# Allegro board 6089-119-RevA_41.brd (continued)
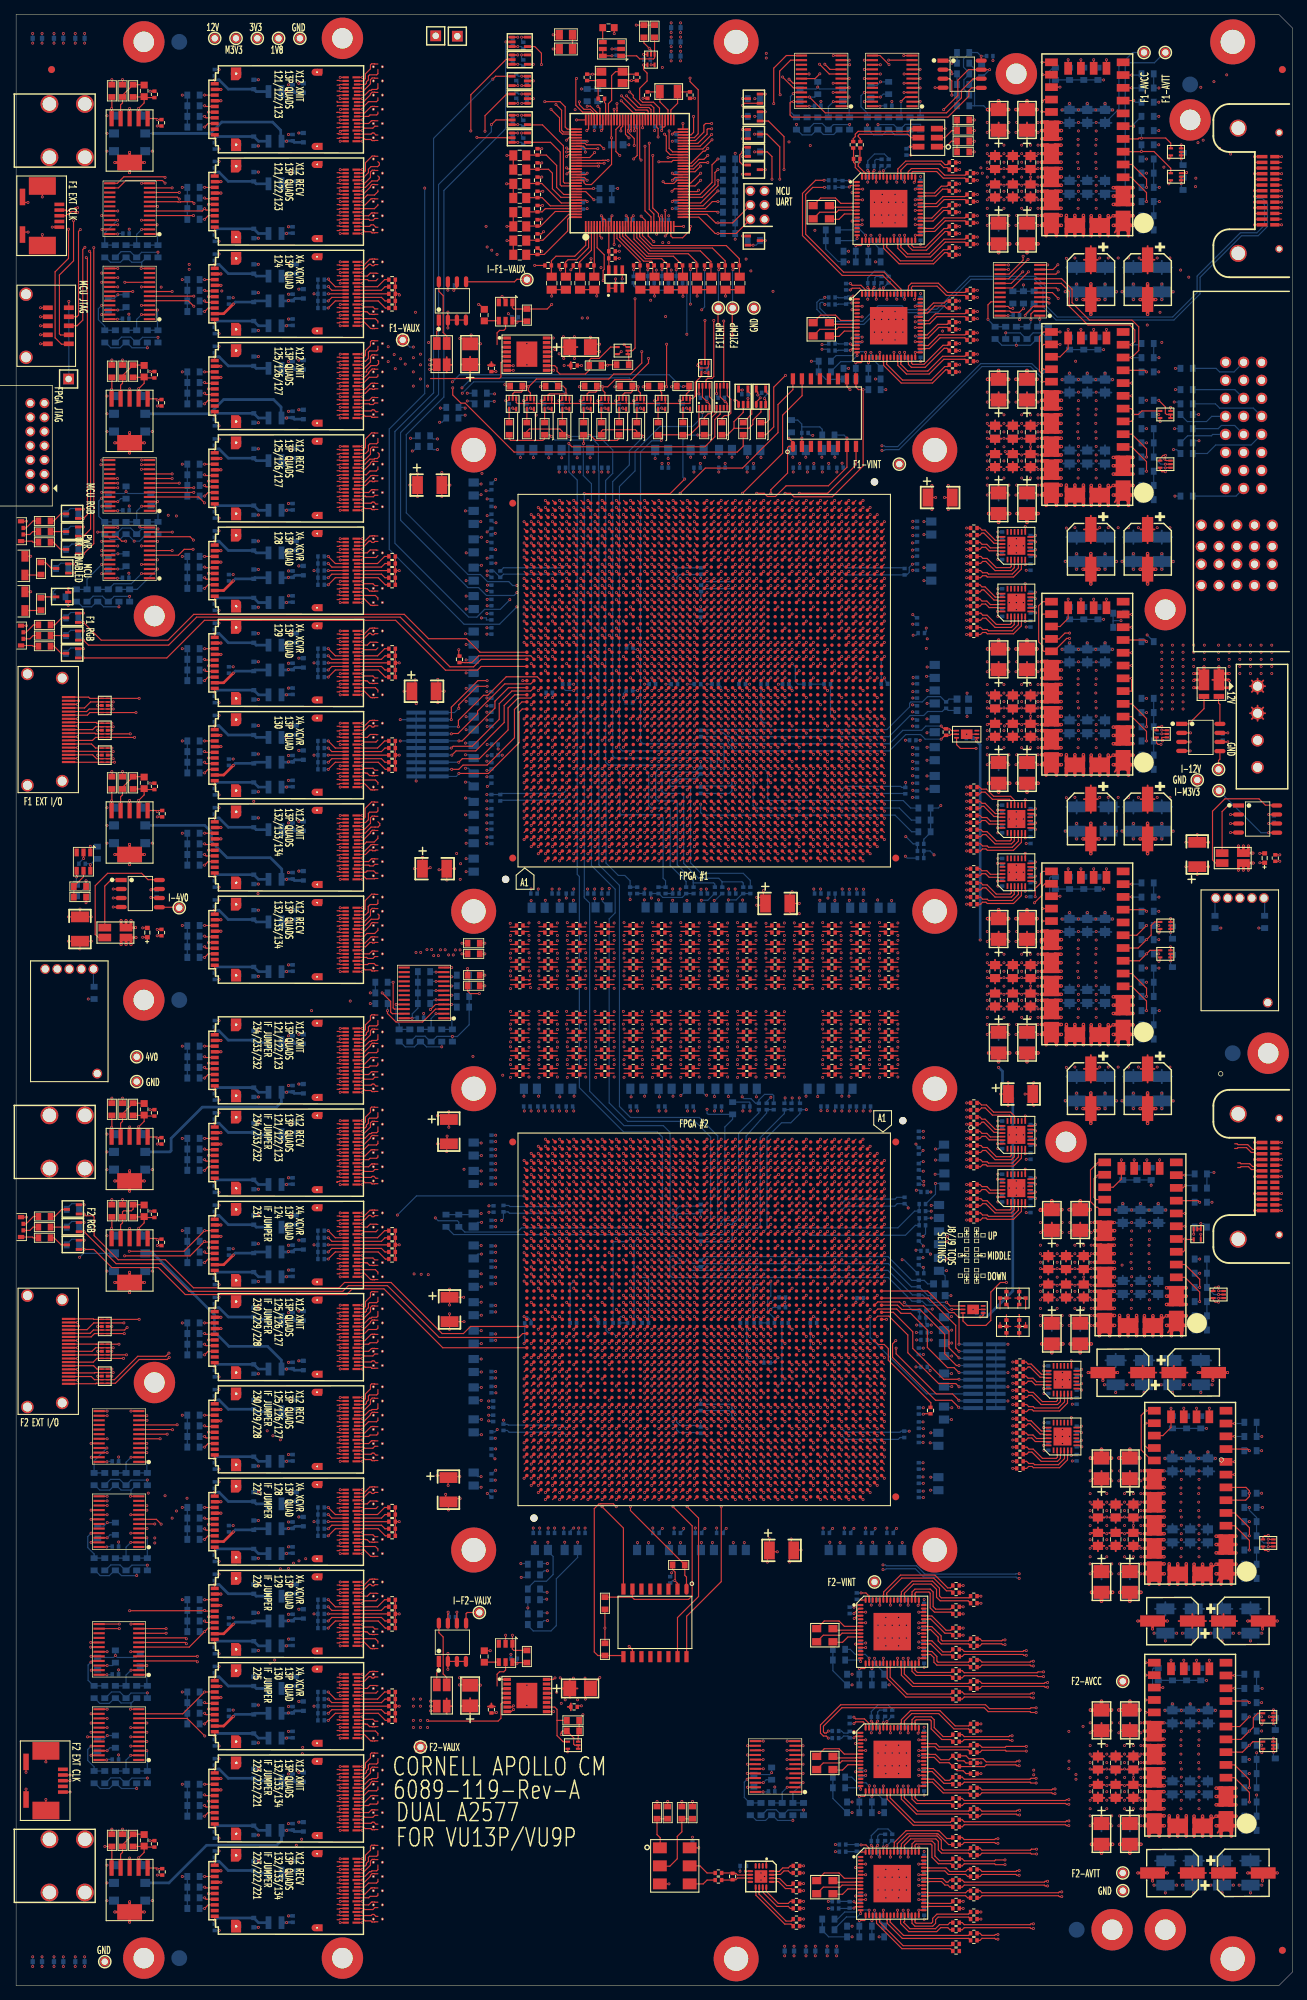
[diagram p0: board, top side]
## Routing (per net, layer and track width the routed paths; a pad name or vN(x,y) marks a point on that pad's centre or on a via; arc(x,y) is an arc through that point) (continued)
NF2_F_RECV2: length 21.1
  TOP w0.165: 108.3,134.25 107.6,134.25 C221.1 ; U77.T3 107.39,117.29
  SIG2 w0.083: 108.3,134.25 108.1,134.05 arc(108.07,134.03) 108.04,134.02 107.25,134.02 arc(106.82,133.85) 106.64,133.42 106.64,127.51 arc(106.78,126.82) 107.17,126.23 107.44,125.96 arc(107.7,125.57) 107.79,125.11 107.79,117.13 arc(107.72,116.96) 107.56,116.9 107.47,116.9 arc(107.42,116.92) 107.39,116.98 107.39,117.29
NF2_F_RECV3: length 21.8
  TOP w0.165: U77.U1 106.39,119.29 ; C219.1 107.65,136.7 108.3,136.7
  SIG2 w0.083: 106.39,119.29 106.39,118.98 arc(106.42,118.92) 106.47,118.9 106.56,118.9 arc(106.72,118.96) 106.79,119.13 106.79,125.35 arc(106.76,125.5) 106.68,125.62 arc(106.25,126.26) 106.1,127.02 106.1,135.57 arc(106.36,136.21) 107,136.47 108.04,136.47 arc(108.07,136.48) 108.1,136.5 108.3,136.7
NF2_F_XMIT0: length 33.1
  TOP w0.165: C217.2 107.6,141.75 108.3,141.75 ; U77.P8 109.39,112.29
  SIG1 w0.083: 108.3,141.75 108.1,141.55 arc(108.07,141.53) 108.04,141.52 107.96,141.52 arc(107.75,141.44) 107.67,141.23 107.67,140.5 arc(107.71,140.3) 107.82,140.13 108.72,139.23 arc(108.93,138.92) 109,138.55 109,128.4 arc(109.07,128.03) 109.28,127.72 109.35,127.65 arc(109.68,127.17) 109.79,126.59 109.79,112.13 arc(109.72,111.96) 109.56,111.9 109.47,111.9 arc(109.42,111.92) 109.39,111.98 109.39,112.29
NF2_F_XMIT1: length 33.8
  TOP w0.165: 108.3,144.21 107.64,144.21 C215.2 ; U77.R6 108.39,114.29
  SIG1 w0.083: 108.3,144.21 108.1,144.01 arc(108.07,143.99) 108.04,143.98 107.96,143.98 arc(107.39,143.75) 107.15,143.18 107.15,140.45 arc(107.21,140.17) 107.36,139.94 arc(107.64,139.51) 107.74,139.01 107.74,127.51 arc(107.84,127.04) 108.1,126.65 108.62,126.13 arc(108.75,125.93) 108.8,125.7 108.8,114 arc(108.74,113.86) 108.6,113.8 arc(108.45,113.86) 108.39,114.01 108.39,114.29
NF2_F_XMIT2: length 38.6
  TOP w0.165: U77.T8 107.39,112.29 ; C213.2 107.6,146.75 108.3,146.75
  SIG1 w0.083: 108.3,146.75 108.1,146.55 arc(108.07,146.53) 108.04,146.52 107.4,146.52 arc(107.3,146.52) 107.21,146.5 arc(107.05,146.4) 106.99,146.22 106.99,144.07 arc(106.97,143.99) 106.93,143.92 106.82,143.81 arc(106.69,143.62) 106.65,143.4 106.65,139.9 arc(106.71,139.53) 106.89,139.19 106.91,139.17 106.96,139.08 arc(106.98,139.02) 106.99,138.95 106.99,138.85 106.99,127.27 arc(107.06,126.9) 107.27,126.59 107.45,126.41 arc(107.74,125.98) 107.84,125.48 107.84,111.93 arc(107.81,111.87) 107.75,111.84 107.6,111.84 arc(107.45,111.91) 107.39,112.05 107.39,112.29
NF2_F_XMIT3: length 39.4
  TOP w0.165: C211.2 107.65,149.2 108.3,149.2 ; U77.U6 106.39,114.29
  SIG1 w0.083: 108.3,149.2 108.1,149 arc(108.07,148.98) 108.04,148.97 106.75,148.97 arc(106.33,148.8) 106.15,148.37 106.15,128.07 arc(106.2,127.8) 106.34,127.56 arc(106.37,127.52) 106.39,127.48 arc(106.42,127.43) 106.44,127.36 arc(106.45,127.32) 106.45,127.28 106.45,126.44 arc(106.51,126.17) 106.65,125.95 106.66,125.95 arc(106.76,125.8) 106.79,125.62 106.79,114.13 106.72,113.96 106.56,113.9 106.47,113.9 arc(106.42,113.92) 106.39,113.98 106.39,114.29
NF2_FF1_RECV0: length 78.2
  TOP w0.165: U77.BB49 80.61,70.51 ; U35A.A17 50.05,113.9 50.21,114.06 50.44,114.06 50.72,113.78 51,113.78
  SIG3 w0.083: 80.61,70.51 80.61,70.82 arc(80.63,70.88) 80.69,70.9 80.77,70.9 arc(80.96,70.83) 81.04,70.64 81.04,68.39 arc(80.92,67.79) 80.58,67.28 77.68,64.38 arc(77.38,64.18) 77.04,64.11 71.99,64.11 70.51,64.69 62.25,72.95 arc(61.85,73.55) 61.71,74.26 61.71,82.59 61.85,82.73 61.85,83.06 61.71,83.2 61.71,83.53 61.85,83.67 61.85,84 61.71,84.14 61.71,84.47 61.85,84.61 61.85,84.94 61.71,85.08 61.71,85.41 61.85,85.55 61.85,85.88 61.71,86.02 61.71,86.35 61.85,86.49 61.85,86.82 61.71,86.97 61.71,104.06 arc(61.53,104.97) 61.01,105.74 53.86,112.89 arc(53.18,113.34) 52.37,113.5 52.17,113.5 arc(52.14,113.51) 52.11,113.53 52.11,113.54 arc(52.08,113.55) 52.05,113.56 52,113.56 51.88,113.68 arc(51.77,113.76) 51.64,113.78 51,113.78
NF2_FF1_RECV1: length 74.1
  TOP w0.165: U35A.B17 45.65,113.9 45.58,113.97 45.25,113.97 45.25,113.98 ; U77.BC51 79.61,68.51
  SIG4 w0.083: 45.25,113.98 45.25,113.97 45.45,113.77 arc(45.48,113.75) 45.51,113.75 48.35,113.75 arc(49,113.62) 49.55,113.25 49.68,113.12 arc(50.31,112.7) 51.05,112.55 arc(51.83,112.38) 52.5,111.95 57.16,107.29 arc(57.57,106.68) 57.71,105.96 57.71,81.1 arc(57.82,80.53) 58.14,80.06 70.71,67.49 arc(71.36,67.05) 72.12,66.9 73.88,66.9 74.18,67.2 74.51,67.2 74.81,66.9 75.14,66.9 75.44,67.2 75.77,67.2 76.07,66.9 76.4,66.9 76.7,67.2 77.03,67.2 77.33,66.9 77.66,66.9 77.96,67.2 78.29,67.2 78.59,66.9 78.82,66.9 arc(79.25,66.99) 79.63,67.24 79.66,67.26 arc(79.94,67.69) 80.04,68.19 80.04,68.64 arc(79.96,68.83) 79.77,68.9 79.69,68.9 arc(79.63,68.88) 79.61,68.82 79.61,68.51
NF2_FF1_RECV2: length 76.1
  TOP w0.165: U35A.A14 49.7,115.4 50.08,115.78 50.16,115.78 50.19,115.81 50.54,115.81 50.57,115.78 51,115.78 ; U77.BD49 78.61,70.51
  SIG3 w0.083: 51,115.78 51.64,115.78 arc(51.77,115.76) 51.88,115.68 52,115.56 52.05,115.56 arc(52.08,115.55) 52.11,115.54 52.11,115.53 arc(52.14,115.51) 52.17,115.5 52.53,115.5 arc(52.82,115.45) 53.07,115.28 61.65,106.7 arc(62.43,105.53) 62.71,104.14 62.71,86.74 62.85,86.6 62.85,86.27 62.71,86.13 62.71,85.8 62.85,85.66 62.85,85.33 62.71,85.19 62.71,84.86 62.85,84.72 62.85,84.39 62.71,84.25 62.71,83.92 62.85,83.78 62.85,83.45 62.71,83.31 62.71,82.98 62.85,82.84 62.85,82.51 62.71,82.37 62.71,75.32 arc(62.95,74.09) 63.65,73.05 71.01,65.69 72.49,65.11 75.61,65.11 arc(76.26,65.24) 76.81,65.61 78.42,67.21 arc(78.88,67.9) 79.04,68.72 79.04,70.64 arc(78.96,70.83) 78.77,70.9 78.69,70.9 arc(78.63,70.88) 78.61,70.82 78.61,70.51
NF2_FF1_RECV3: length 71.7
  TOP w0.165: U77.BE51 77.61,68.51 ; U35A.B14 45.65,115.4 45.58,115.47 45.25,115.47
  SIG4 w0.083: 77.61,68.51 77.61,68.82 arc(77.63,68.88) 77.69,68.9 77.77,68.9 arc(77.96,68.83) 78.04,68.64 78.04,68.46 arc(77.98,68.19) 77.83,67.94 arc(77.8,67.92) 77.76,67.91 72.58,67.91 arc(71.85,68.06) 71.22,68.47 63.56,76.14 63.56,76.39 63.32,76.63 63.07,76.63 62.84,76.86 62.84,77.11 62.6,77.35 62.35,77.35 62.12,77.58 62.12,77.83 61.88,78.07 61.63,78.07 61.4,78.3 61.4,78.55 61.16,78.79 60.91,78.79 60.68,79.02 60.68,79.27 60.44,79.51 60.19,79.51 59.21,80.49 arc(58.84,81.04) 58.71,81.69 58.71,106.58 arc(58.51,107.61) 57.93,108.47 52.62,113.78 arc(51.82,114.31) 50.87,114.5 50.39,114.5 arc(49.8,114.62) 49.3,114.95 arc(48.97,115.17) 48.59,115.25 45.51,115.25 arc(45.48,115.25) 45.45,115.27 45.25,115.47
NF2_FF1_RECV4: length 73.2
  TOP w0.165: U77.BF49 76.61,70.51 ; 51,117.78 50.57,117.78 50.54,117.81 50.19,117.81 50.16,117.78 50.03,117.78 49.15,116.9 U35A.A11 48.05,116.9
  SIG3 w0.083: 51,117.78 51.64,117.78 arc(51.77,117.76) 51.88,117.68 52,117.56 52.05,117.56 arc(52.08,117.55) 52.11,117.54 52.11,117.53 arc(52.14,117.51) 52.17,117.5 52.33,117.5 arc(52.62,117.45) 52.87,117.28 62.86,107.29 arc(63.6,106.18) 63.86,104.88 63.86,88.47 64,88.33 64,88 63.86,87.86 63.86,87.53 64,87.39 64,87.06 63.86,86.92 63.86,86.59 64,86.44 64,86.11 63.86,85.97 63.86,85.64 64,85.5 64,85.17 63.86,85.03 63.86,84.7 64,84.56 64,84.23 63.86,84.09 63.86,83.76 64,83.62 64,83.29 63.86,83.15 63.86,76.94 arc(64.06,75.92) 64.63,75.07 72.27,67.43 arc(72.8,67.08) 73.44,66.95 75.59,66.95 arc(76.62,67.37) 77.04,68.4 77.04,70.64 arc(76.96,70.83) 76.77,70.9 76.69,70.9 arc(76.63,70.88) 76.61,70.82 76.61,70.51
NF2_FF1_RECV5: length 71.7
  TOP w0.165: 45.25,116.97 45.58,116.97 45.65,116.9 U35A.B11 ; U77.BG47 75.61,72.51
  SIG4 w0.083: 75.61,72.51 75.61,72.82 arc(75.63,72.88) 75.69,72.9 75.77,72.9 arc(75.96,72.83) 76.04,72.64 76.04,70.35 arc(75.97,70.18) 75.8,70.11 72.12,70.11 arc(71.17,70.3) 70.36,70.84 66.55,74.65 66.55,74.9 66.31,75.14 66.06,75.14 65.83,75.37 65.83,75.62 65.59,75.86 65.34,75.86 65.11,76.09 65.11,76.34 64.87,76.58 64.62,76.58 64.39,76.81 64.39,77.06 64.15,77.3 63.9,77.3 63.67,77.53 63.67,77.78 63.43,78.02 63.18,78.02 60.37,80.82 arc(59.88,81.56) 59.71,82.43 59.71,107.78 arc(59.52,108.71) 58.99,109.51 52.54,115.96 arc(52,116.32) 51.35,116.45 49.61,116.45 arc(49.42,116.49) 49.25,116.6 arc(49.09,116.71) 48.9,116.75 45.51,116.75 arc(45.48,116.75) 45.45,116.77 45.25,116.97
NF2_FF1_RECV6: length 70.5
  TOP w0.165: 48.05,118.4 U35A.A8 48.9,118.4 49.95,119.45 49.95,119.57 50.19,119.81 50.54,119.81 50.57,119.78 51,119.78 ; U77.BG51 75.61,68.51
  SIG3 w0.083: 75.61,68.51 75.61,68.82 arc(75.63,68.88) 75.69,68.9 75.77,68.9 arc(75.96,68.83) 76.04,68.64 76.04,68.35 arc(75.97,68.18) 75.8,68.11 73.98,68.11 arc(73.16,68.27) 72.46,68.74 65.82,75.38 arc(65.29,76.18) 65.1,77.13 65.1,106.14 arc(64.92,107.03) 64.42,107.78 61.75,110.45 61.75,110.65 61.52,110.88 61.32,110.88 61.08,111.12 61.08,111.32 60.85,111.55 60.65,111.55 60.42,111.78 60.42,111.98 60.18,112.22 59.98,112.22 59.75,112.45 59.75,112.65 59.52,112.88 59.32,112.88 59.08,113.12 59.08,113.32 58.85,113.55 58.65,113.55 58.42,113.78 58.42,113.98 58.18,114.22 57.98,114.22 52.92,119.28 arc(52.67,119.45) 52.38,119.5 52.17,119.5 arc(52.14,119.51) 52.11,119.53 52.11,119.54 arc(52.08,119.55) 52.05,119.56 52,119.56 51.88,119.68 arc(51.77,119.76) 51.64,119.78 51,119.78
NF2_FF1_RECV7: length 68.9
  TOP w0.165: U35A.B8 45.65,118.4 45.58,118.47 45.25,118.47 ; U77.BH49 74.61,70.51
  SIG4 w0.083: 74.61,70.51 74.61,70.82 arc(74.63,70.88) 74.69,70.9 74.77,70.9 arc(75.11,71.04) 75.25,71.38 75.25,71.6 arc(75.09,71.99) 74.7,72.15 71.47,72.15 arc(70.62,72.32) 69.89,72.8 61.37,81.32 arc(60.88,82.06) 60.71,82.93 60.71,108.73 arc(60.52,109.66) 59.99,110.46 52.56,117.89 arc(51.83,118.38) 50.97,118.55 49.54,118.55 arc(49.41,118.52) 49.3,118.45 arc(49.07,118.3) 48.81,118.25 45.51,118.25 arc(45.48,118.25) 45.45,118.27 45.25,118.47
NF2_FF1_RECV8: length 68.8
  TOP w0.165: 51,121.78 50.57,121.78 50.54,121.81 50.19,121.81 49.95,121.57 49.95,121.23 49.95,121.23 49.95,120.99 48.86,119.9 U35A.A5 ; U77.BJ47 73.61,72.51
  SIG3 w0.083: 51,121.78 51.64,121.78 arc(51.77,121.76) 51.88,121.68 52,121.56 52.05,121.56 arc(52.08,121.55) 52.11,121.54 52.11,121.53 arc(52.14,121.51) 52.17,121.5 52.43,121.5 arc(53.57,121.28) 54.53,120.63 58.16,117.01 58.34,117.01 58.58,116.77 58.58,116.59 58.81,116.35 58.99,116.35 59.23,116.12 59.23,115.94 59.46,115.7 59.65,115.7 59.88,115.47 59.88,115.28 60.11,115.05 60.3,115.05 60.53,114.82 60.53,114.63 60.77,114.4 60.95,114.4 61.18,114.17 61.18,113.98 61.42,113.75 61.6,113.75 61.84,113.51 61.84,113.33 65.97,109.19 arc(66.15,108.93) 66.21,108.62 66.21,77.45 arc(66.39,76.56) 66.89,75.81 70.09,72.61 arc(70.59,72.28) 71.17,72.16 73.75,72.16 arc(73.92,72.23) 73.99,72.4 73.99,72.69 arc(73.93,72.84) 73.77,72.9 73.69,72.9 arc(73.63,72.88) 73.61,72.82 73.61,72.51
NF2_FF1_RECV9: length 66.2
  TOP w0.165: U77.BL47 71.61,72.51 ; U35A.B5 45.65,119.9 45.58,119.97 45.25,119.97
  SIG4 w0.083: 45.25,119.97 45.45,119.77 arc(45.48,119.75) 45.51,119.75 48.37,119.75 arc(48.9,119.85) 49.35,120.15 arc(49.74,120.41) 50.19,120.5 51.15,120.5 arc(51.8,120.37) 52.34,120.01 60.67,111.68 arc(61.44,110.53) 61.71,109.17 61.71,83.66 arc(61.92,82.58) 62.54,81.66 69.62,74.57 arc(70.09,74.26) 70.64,74.15 71.7,74.15 arc(72.09,73.99) 72.25,73.6 72.25,73.38 arc(72.11,73.04) 71.77,72.9 71.69,72.9 arc(71.63,72.88) 71.61,72.82 71.61,72.51
NF2_FF1_RECV10: length 55.3
  TOP w0.165: U35A.A2 48.66,121.4 48.66,121.4 48.91,121.4 49.24,121.72 49.24,122.39 49.95,123.1 49.95,123.65 50.12,123.81 50.54,123.81 50.57,123.78 51,123.78 ; U77.BL33 71.61,86.51
  SIG3 w0.083: 51,123.78 51.64,123.78 arc(51.77,123.76) 51.88,123.68 52,123.56 52.05,123.56 arc(52.08,123.55) 52.11,123.54 52.11,123.53 arc(52.14,123.51) 52.17,123.5 52.51,123.5 arc(53.84,123.24) 54.96,122.49 56.03,121.42 56.16,121.42 56.28,121.42 56.52,121.18 56.52,121.06 56.52,120.93 56.75,120.7 56.87,120.7 56.88,120.7 57,120.7 57.23,120.47 57.23,120.34 57.23,120.22 57.47,119.98 57.59,119.98 57.72,119.98 57.95,119.75 57.95,119.63 57.95,119.5 58.18,119.27 58.31,119.27 58.31,119.27 58.43,119.27 58.67,119.03 58.67,118.91 58.67,118.78 67.02,110.43 arc(67.16,110.22) 67.21,109.97 67.21,90.79 arc(67.39,89.86) 67.92,89.08 70.39,86.61 arc(70.89,86.28) 71.48,86.16 71.75,86.16 arc(71.96,86.24) 72.04,86.45 72.04,86.64 arc(71.96,86.83) 71.77,86.9 71.69,86.9 arc(71.63,86.88) 71.61,86.82 71.61,86.51
NF2_FF1_RECV11: length 58.7
  TOP w0.165: 45.25,121.47 45.58,121.47 45.65,121.4 U35A.B2 ; U77.BK35 72.61,84.51
  SIG4 w0.083: 72.61,84.51 72.61,84.82 arc(72.63,84.88) 72.69,84.9 72.77,84.9 arc(72.96,84.83) 73.04,84.64 73.04,84.4 arc(72.97,84.23) 72.8,84.16 71.42,84.16 arc(70.93,84.26) 70.51,84.53 68.8,86.25 68.8,86.35 68.8,86.45 68.57,86.68 68.47,86.68 68.36,86.68 68.13,86.92 68.13,87.02 68.13,87.12 67.9,87.35 67.8,87.35 67.69,87.35 67.46,87.59 67.46,87.69 67.46,87.79 67.23,88.02 67.13,88.02 67.13,88.02 67.02,88.02 66.79,88.26 66.79,88.36 66.79,88.46 66.56,88.69 66.46,88.69 66.45,88.69 66.35,88.69 66.12,88.93 66.12,89.03 66.12,89.13 65.89,89.36 65.78,89.36 65.68,89.36 63.21,91.84 arc(62.84,92.39) 62.71,93.04 62.71,110.35 arc(62.48,111.5) 61.83,112.47 52.39,121.91 arc(51.85,122.27) 51.2,122.4 50.69,122.4 arc(50.1,122.28) 49.6,121.95 arc(48.82,121.43) 47.9,121.25 45.51,121.25 arc(45.48,121.25) 45.45,121.27 45.25,121.47
NF2_FF1_XMIT0: length 88.2
  TOP w0.165: 45.25,126.97 45.58,126.97 45.65,126.9 U34A.B17 ; U77.BB44 80.61,75.51
  SIG1 w0.083: 45.25,126.97 45.45,126.77 arc(45.48,126.75) 45.51,126.75 48.35,126.75 arc(49,126.62) 49.55,126.25 49.68,126.12 arc(50.29,125.71) 51,125.55 arc(51.08,125.55) 51.17,125.54 arc(51.79,125.36) 52.36,125.03 arc(52.4,125) 52.44,124.96 53.1,124.3 53.23,124.3 53.35,124.3 53.59,124.06 53.59,123.94 53.59,123.81 53.82,123.58 53.95,123.58 54.07,123.58 54.3,123.35 54.3,123.22 54.3,123.1 54.54,122.86 54.66,122.86 54.66,122.86 54.79,122.86 55.02,122.63 55.02,122.5 55.02,122.38 55.25,122.15 55.38,122.15 55.5,122.15 55.74,121.91 55.74,121.79 55.74,121.66 55.97,121.43 56.1,121.43 56.22,121.43 56.45,121.2 56.45,121.07 56.45,120.95 60.39,117.01 arc(61.37,115.55) 61.71,113.82 61.71,78.66 arc(61.83,78.04) 62.19,77.51 67.69,72.01 arc(68.63,71.38) 69.74,71.16 80.75,71.16 arc(80.96,71.24) 81.04,71.45 81.04,75.64 arc(80.96,75.83) 80.77,75.9 80.69,75.9 arc(80.63,75.88) 80.61,75.82 80.61,75.51
NF2_FF1_XMIT1: length 80
  TOP w0.165: U77.BC46 79.61,73.51 ; U34A.A17 50.05,126.9 50.21,127.06 50.44,127.06 50.72,126.78 51,126.78
  SIG2 w0.083: 79.61,73.51 79.61,73.82 arc(79.63,73.88) 79.69,73.9 79.77,73.9 arc(79.96,73.83) 80.04,73.64 80.04,72.55 arc(79.93,72.27) 79.65,72.16 69.67,72.16 arc(69.09,72.28) 68.59,72.61 63.42,77.78 arc(62.89,78.58) 62.7,79.53 62.7,99.65 arc(62.51,100.62) 61.96,101.44 55.68,107.72 arc(55.21,108.42) 55.05,109.24 55.05,113.97 55.2,114.12 55.2,114.45 55.05,114.6 55.05,114.93 55.2,115.08 55.2,115.41 55.05,115.56 55.05,115.89 55.2,116.04 55.2,116.37 55.05,116.52 55.05,116.85 55.2,117 55.2,117.33 55.05,117.48 55.05,117.81 55.2,117.96 55.2,118.29 55.05,118.44 55.05,118.77 55.2,118.92 55.2,119.25 55.05,119.4 55.05,122.75 arc(54.82,123.91) 54.16,124.89 52.78,126.28 arc(52.53,126.45) 52.23,126.5 52.17,126.5 arc(52.14,126.51) 52.11,126.53 52.11,126.54 arc(52.08,126.55) 52.05,126.56 52,126.56 51.88,126.68 arc(51.77,126.76) 51.64,126.78 51,126.78
NF2_FF1_XMIT2: length 85.5
  TOP w0.165: 45.25,128.47 45.58,128.47 45.65,128.4 U34A.B14 ; U77.BD44 78.61,75.51
  SIG1 w0.083: 78.61,75.51 78.61,75.82 arc(78.63,75.88) 78.69,75.9 78.77,75.9 arc(78.96,75.83) 79.04,75.64 79.04,72.45 arc(78.96,72.24) 78.75,72.16 70,72.16 arc(69.11,72.34) 68.35,72.84 63.75,77.45 arc(62.98,78.6) 62.71,79.96 62.71,114.66 arc(62.39,116.26) 61.49,117.61 56,123.09 56,123.4 55.77,123.63 55.62,123.63 55.47,123.63 55.23,123.86 55.23,124.17 55,124.4 54.85,124.4 54.7,124.4 54.46,124.63 54.46,124.94 54.23,125.17 54.08,125.17 53.93,125.17 53.69,125.4 53.69,125.71 53.46,125.94 53.31,125.94 53.16,125.94 52.3,126.8 arc(51.52,127.32) 50.61,127.5 50.39,127.5 arc(49.8,127.62) 49.3,127.95 arc(48.97,128.17) 48.59,128.25 45.51,128.25 arc(45.48,128.25) 45.45,128.27 45.25,128.47
NF2_FF1_XMIT3: length 78.1
  TOP w0.165: 51,128.78 50.57,128.78 50.54,128.81 50.19,128.81 50.16,128.78 50.08,128.78 49.7,128.4 U34A.A14 ; U77.BE46 77.61,73.51
  SIG2 w0.083: 77.61,73.51 77.61,73.82 arc(77.63,73.88) 77.69,73.9 77.77,73.9 arc(77.96,73.83) 78.04,73.64 78.04,73.35 arc(77.97,73.18) 77.8,73.11 70.69,73.11 arc(69.67,73.31) 68.82,73.88 64.71,77.99 arc(64.07,78.94) 63.85,80.07 63.85,100.63 arc(63.72,101.29) 63.34,101.85 57.08,108.12 arc(56.54,108.92) 56.35,109.88 56.35,116.5 56.5,116.65 56.5,116.98 56.35,117.13 56.35,117.46 56.5,117.61 56.5,117.94 56.35,118.09 56.35,118.42 56.5,118.57 56.5,118.9 56.35,119.05 56.35,119.38 56.5,119.53 56.5,119.86 56.35,120.01 56.35,120.34 56.5,120.49 56.5,120.82 56.35,120.97 56.35,121.3 56.5,121.45 56.5,121.78 56.35,121.93 56.35,124.07 arc(56.11,125.25) 55.45,126.25 53.87,127.82 arc(53.12,128.33) 52.23,128.5 52.17,128.5 arc(52.14,128.51) 52.11,128.53 52.11,128.54 arc(52.08,128.55) 52.05,128.56 52,128.56 51.88,128.68 arc(51.77,128.76) 51.64,128.78 51,128.78
NF2_FF1_XMIT4: length 83.2
  TOP w0.165: 45.25,129.97 45.58,129.97 45.65,129.9 U34A.B11 ; U77.BF44 76.61,75.51
  SIG1 w0.083: 45.25,129.97 45.45,129.77 arc(45.48,129.75) 45.51,129.75 48.9,129.75 arc(49.09,129.71) 49.25,129.6 arc(49.42,129.49) 49.61,129.45 50.58,129.45 arc(51.8,129.21) 52.83,128.52 53.48,127.86 53.63,127.86 53.79,127.86 54.02,127.63 54.02,127.33 54.25,127.09 54.4,127.09 54.56,127.09 54.79,126.86 54.79,126.56 55.02,126.32 55.17,126.32 55.33,126.32 55.56,126.09 55.56,125.79 55.79,125.55 55.95,125.55 56.1,125.55 56.33,125.32 56.33,125.02 62.4,118.94 arc(63.48,117.33) 63.86,115.43 63.86,80.08 arc(64.09,78.93) 64.74,77.96 68.9,73.79 arc(69.66,73.29) 70.55,73.11 76.75,73.11 arc(76.96,73.19) 77.04,73.4 77.04,75.64 arc(76.96,75.83) 76.77,75.9 76.69,75.9 arc(76.63,75.88) 76.61,75.82 76.61,75.51
NF2_FF1_XMIT5: length 75.7
  TOP w0.165: 51,130.78 50.57,130.78 50.54,130.81 50.19,130.81 50.16,130.78 50.03,130.78 49.15,129.9 U34A.A11 48.05,129.9 ; U77.BH44 74.61,75.51
  SIG2 w0.083: 51,130.78 51.64,130.78 arc(51.77,130.76) 51.88,130.68 52,130.56 52.05,130.56 arc(52.08,130.55) 52.11,130.54 52.11,130.53 arc(52.14,130.51) 52.17,130.5 52.5,130.5 arc(53.6,130.29) 54.54,129.66 56.81,127.39 arc(57.36,126.57) 57.55,125.6 57.55,118.84 57.7,118.69 57.7,118.36 57.55,118.21 57.55,117.88 57.7,117.73 57.7,117.4 57.55,117.25 57.55,116.92 57.7,116.77 57.7,116.44 57.55,116.29 57.55,115.96 57.7,115.81 57.7,115.48 57.55,115.33 57.55,115 57.7,114.85 57.7,114.52 57.55,114.37 57.55,110.41 arc(57.78,109.24) 58.44,108.25 64.46,102.24 arc(64.93,101.53) 65.1,100.69 65.1,80.22 arc(65.31,79.19) 65.89,78.31 68.34,75.86 arc(69.17,75.3) 70.15,75.11 74.8,75.11 arc(74.97,75.18) 75.04,75.35 75.04,75.64 arc(74.96,75.83) 74.77,75.9 74.69,75.9 arc(74.63,75.88) 74.61,75.82 74.61,75.51
NF2_FF1_XMIT6: length 81.7
  TOP w0.165: U77.BJ42 73.61,77.51 ; 45.25,131.47 45.58,131.47 45.65,131.4 U34A.B8
  SIG1 w0.083: 73.61,77.51 73.61,77.82 arc(73.63,77.88) 73.69,77.9 73.77,77.9 arc(73.93,77.84) 73.99,77.69 73.99,74.45 arc(73.89,74.21) 73.65,74.11 70.96,74.11 arc(70.15,74.27) 69.47,74.73 65.6,78.6 arc(65.23,79.15) 65.1,79.8 65.1,115.74 arc(64.68,117.87) 63.47,119.68 56.95,126.2 56.95,126.45 56.71,126.69 56.46,126.69 56.23,126.92 56.23,127.17 55.99,127.41 55.74,127.41 55.51,127.64 55.51,127.89 55.27,128.13 55.02,128.13 54.79,128.36 54.79,128.61 54.55,128.85 54.3,128.85 52.46,130.69 arc(51.5,131.33) 50.37,131.55 49.54,131.55 arc(49.41,131.52) 49.3,131.45 arc(49.07,131.3) 48.81,131.25 45.51,131.25 arc(45.48,131.25) 45.45,131.27 45.25,131.47
NF2_FF1_XMIT7: length 78.3
  TOP w0.165: 51,132.78 50.57,132.78 50.54,132.81 50.19,132.81 49.95,132.57 49.95,132.45 48.9,131.4 U34A.A8 48.05,131.4 ; U77.BG42 75.61,77.51
  SIG2 w0.083: 75.61,77.51 75.61,77.82 arc(75.63,77.88) 75.69,77.9 75.77,77.9 arc(75.96,77.83) 76.04,77.64 76.04,77.35 arc(75.97,77.18) 75.8,77.11 73.55,77.11 arc(73.16,76.95) 73,76.56 73,76.48 arc(72.89,76.21) 72.62,76.1 70.26,76.1 arc(69.65,76.22) 69.14,76.56 66.43,79.27 arc(66.26,79.52) 66.2,79.83 66.2,101.09 arc(66.03,101.93) 65.56,102.64 59.63,108.57 arc(59.09,109.37) 58.9,110.33 58.9,112.19 59.05,112.34 59.05,112.67 58.9,112.82 58.9,113.15 59.05,113.3 59.05,113.63 58.9,113.78 58.9,114.11 59.05,114.26 59.05,114.59 58.9,114.74 58.9,115.07 59.05,115.22 59.05,115.55 58.9,115.7 58.9,116.03 59.05,116.18 59.05,116.51 58.9,116.66 58.9,116.99 59.05,117.14 59.05,117.47 58.9,117.62 58.9,125.75 arc(58.71,126.72) 58.16,127.54 53.8,131.89 arc(53.13,132.35) 52.33,132.5 52.17,132.5 arc(52.14,132.51) 52.11,132.53 52.11,132.54 arc(52.08,132.55) 52.05,132.56 52,132.56 51.88,132.68 arc(51.77,132.76) 51.64,132.78 51,132.78
NF2_FF1_XMIT8: length 79
  TOP w0.165: 45.25,132.97 45.58,132.97 45.65,132.9 U34A.B5 ; U77.BK44 72.61,75.51
  SIG1 w0.083: 72.61,75.51 72.61,75.82 arc(72.63,75.88) 72.69,75.9 72.77,75.9 arc(72.96,75.83) 73.04,75.64 73.04,75.35 arc(72.97,75.18) 72.8,75.11 71.46,75.11 arc(70.65,75.27) 69.97,75.72 66.39,79.31 arc(66.26,79.51) 66.21,79.74 66.21,118.45 arc(66.04,119.32) 65.55,120.05 57.62,127.97 57.62,128.23 57.39,128.46 57.13,128.46 56.9,128.69 56.9,128.95 56.67,129.18 56.41,129.18 56.18,129.42 56.18,129.67 55.95,129.9 55.69,129.9 55.46,130.14 55.46,130.39 55.23,130.62 54.97,130.62 53.03,132.57 arc(52,133.26) 50.78,133.5 50.19,133.5 arc(49.74,133.41) 49.35,133.15 arc(48.9,132.85) 48.37,132.75 45.51,132.75 arc(45.48,132.75) 45.45,132.77 45.25,132.97
NF2_FF1_XMIT9: length 74.6
  TOP w0.165: 48.05,132.9 U34A.A5 48.86,132.9 49.95,133.99 49.95,134.23 49.95,134.23 49.95,134.57 50.19,134.81 50.54,134.81 50.57,134.78 51,134.78 ; U77.BL42 71.61,77.51
  SIG2 w0.083: 71.61,77.51 71.61,77.82 arc(71.63,77.88) 71.69,77.9 71.77,77.9 arc(71.96,77.83) 72.04,77.64 72.04,77.35 arc(71.97,77.18) 71.8,77.11 71.06,77.11 arc(70.35,77.25) 69.75,77.65 67.76,79.64 arc(67.35,80.26) 67.2,80.99 67.2,103.38 arc(67.05,104.14) 66.62,104.78 63.72,107.68 60.81,110.59 arc(60.4,111.21) 60.25,111.94 60.25,120 60.35,120.1 60.35,120.43 60.25,120.53 60.25,120.86 60.35,120.96 60.35,121.29 60.25,121.39 60.25,121.72 60.35,121.82 60.35,122.15 60.25,122.25 60.25,122.58 60.35,122.68 60.35,123.01 60.25,123.11 60.25,123.44 60.35,123.54 60.35,123.87 60.25,123.97 60.25,124.3 60.35,124.4 60.35,124.73 60.25,124.83 60.25,125.16 60.35,125.26 60.35,125.59 60.25,125.69 60.25,126.5 arc(60.08,127.37) 59.58,128.12 53.87,133.82 arc(53.12,134.33) 52.23,134.5 52.17,134.5 arc(52.14,134.51) 52.11,134.53 52.11,134.54 arc(52.08,134.55) 52.05,134.56 52,134.56 51.88,134.68 arc(51.77,134.76) 51.64,134.78 51,134.78
NF2_FF1_XMIT10: length 76.7
  TOP w0.165: 45.25,134.47 45.58,134.47 45.65,134.4 U34A.B2 ; U77.BK40 72.61,79.51
  SIG1 w0.083: 45.25,134.47 45.45,134.27 arc(45.48,134.25) 45.51,134.25 47.9,134.25 arc(48.82,134.43) 49.6,134.95 arc(50.1,135.28) 50.69,135.4 50.78,135.4 arc(52,135.16) 53.03,134.47 55.26,132.24 55.36,132.24 55.46,132.24 55.69,132.01 55.69,131.91 55.69,131.8 55.93,131.57 56.03,131.57 56.13,131.57 56.36,131.34 56.36,131.24 56.36,131.13 56.6,130.9 56.7,130.9 56.8,130.9 57.03,130.67 57.03,130.57 57.03,130.46 57.27,130.23 57.37,130.23 57.47,130.23 57.7,130 57.7,129.9 57.7,129.79 57.94,129.56 58.04,129.56 58.14,129.56 58.37,129.33 58.37,129.22 58.37,129.12 66.22,121.28 arc(66.95,120.18) 67.21,118.89 67.21,83.76 67.21,83.76 arc(67.35,83.05) 67.76,82.44 70.7,79.49 arc(71.13,79.21) 71.63,79.11 72.8,79.11 arc(72.97,79.18) 73.04,79.35 73.04,79.64 arc(72.96,79.83) 72.77,79.9 72.69,79.9 arc(72.63,79.88) 72.61,79.82 72.61,79.51
NF2_FF1_XMIT11: length 72.8
  TOP w0.165: U77.BL38 71.61,81.51 ; U34A.A2 48.66,134.4 48.66,134.4 48.91,134.4 49.24,134.72 49.24,135.39 49.95,136.1 49.95,136.65 50.12,136.81 50.54,136.81 50.57,136.78 51,136.78
  SIG2 w0.083: 71.61,81.51 71.61,81.82 arc(71.63,81.88) 71.69,81.9 71.77,81.9 arc(71.96,81.83) 72.04,81.64 72.04,81.35 arc(71.97,81.18) 71.8,81.11 71.53,81.11 arc(71.03,81.21) 70.6,81.49 68.83,83.27 68.83,83.27 arc(68.37,83.95) 68.21,84.76 68.21,104.07 arc(68.13,104.46) 67.92,104.78 65.47,107.22 62.52,110.18 arc(61.92,111.07) 61.71,112.13 61.71,117.84 61.85,117.98 61.85,118.31 61.71,118.45 61.71,118.78 61.85,118.92 61.85,119.25 61.71,119.39 61.71,119.72 61.85,119.86 61.85,120.19 61.71,120.33 61.71,120.66 61.85,120.8 61.85,121.13 61.71,121.28 61.71,121.61 61.85,121.75 61.85,122.08 61.71,122.22 61.71,126.91 arc(61.51,127.91) 60.95,128.74 53.8,135.89 arc(53.13,136.35) 52.33,136.5 52.17,136.5 arc(52.14,136.51) 52.11,136.53 52.11,136.54 arc(52.08,136.55) 52.05,136.56 52,136.56 51.88,136.68 arc(51.77,136.76) 51.64,136.78 51,136.78
NF2_FF2_RECV0: length 67.2
  TOP w0.165: U38A.A17 50.05,74.9 50.21,75.06 50.44,75.06 50.72,74.78 51,74.78 ; U77.AF49 97.39,70.51
  SIG2 w0.083: 51,74.78 51.64,74.78 arc(51.77,74.76) 51.88,74.68 51.97,74.59 arc(52.07,74.52) 52.19,74.5 52.48,74.5 arc(52.57,74.49) 52.65,74.46 arc(52.8,74.37) 52.93,74.26 59.91,67.29 arc(60.54,66.34) 60.76,65.23 60.76,62.81 arc(60.88,62.19) 61.23,61.67 62.38,60.52 62.38,60.52 63.33,59.56 arc(63.84,59.23) 64.43,59.11 76.34,59.11 76.48,59.25 76.81,59.25 76.95,59.11 77.28,59.11 77.42,59.25 77.75,59.25 77.89,59.11 78.22,59.11 78.36,59.25 78.69,59.25 78.83,59.11 79.16,59.11 79.3,59.25 79.63,59.25 79.77,59.11 80.1,59.11 80.24,59.25 80.57,59.25 80.72,59.11 81.05,59.11 81.19,59.25 81.52,59.25 81.66,59.11 88.54,59.11 arc(89.35,59.27) 90.03,59.73 96.99,66.69 arc(97.57,67.56) 97.78,68.58 97.78,70.74 arc(97.69,70.86) 97.56,70.9 97.47,70.9 arc(97.42,70.88) 97.39,70.82 97.39,70.51